# KiCad board Scan_Head_Set-Relay_board_05.01.2023.kicad_pcb (continued)
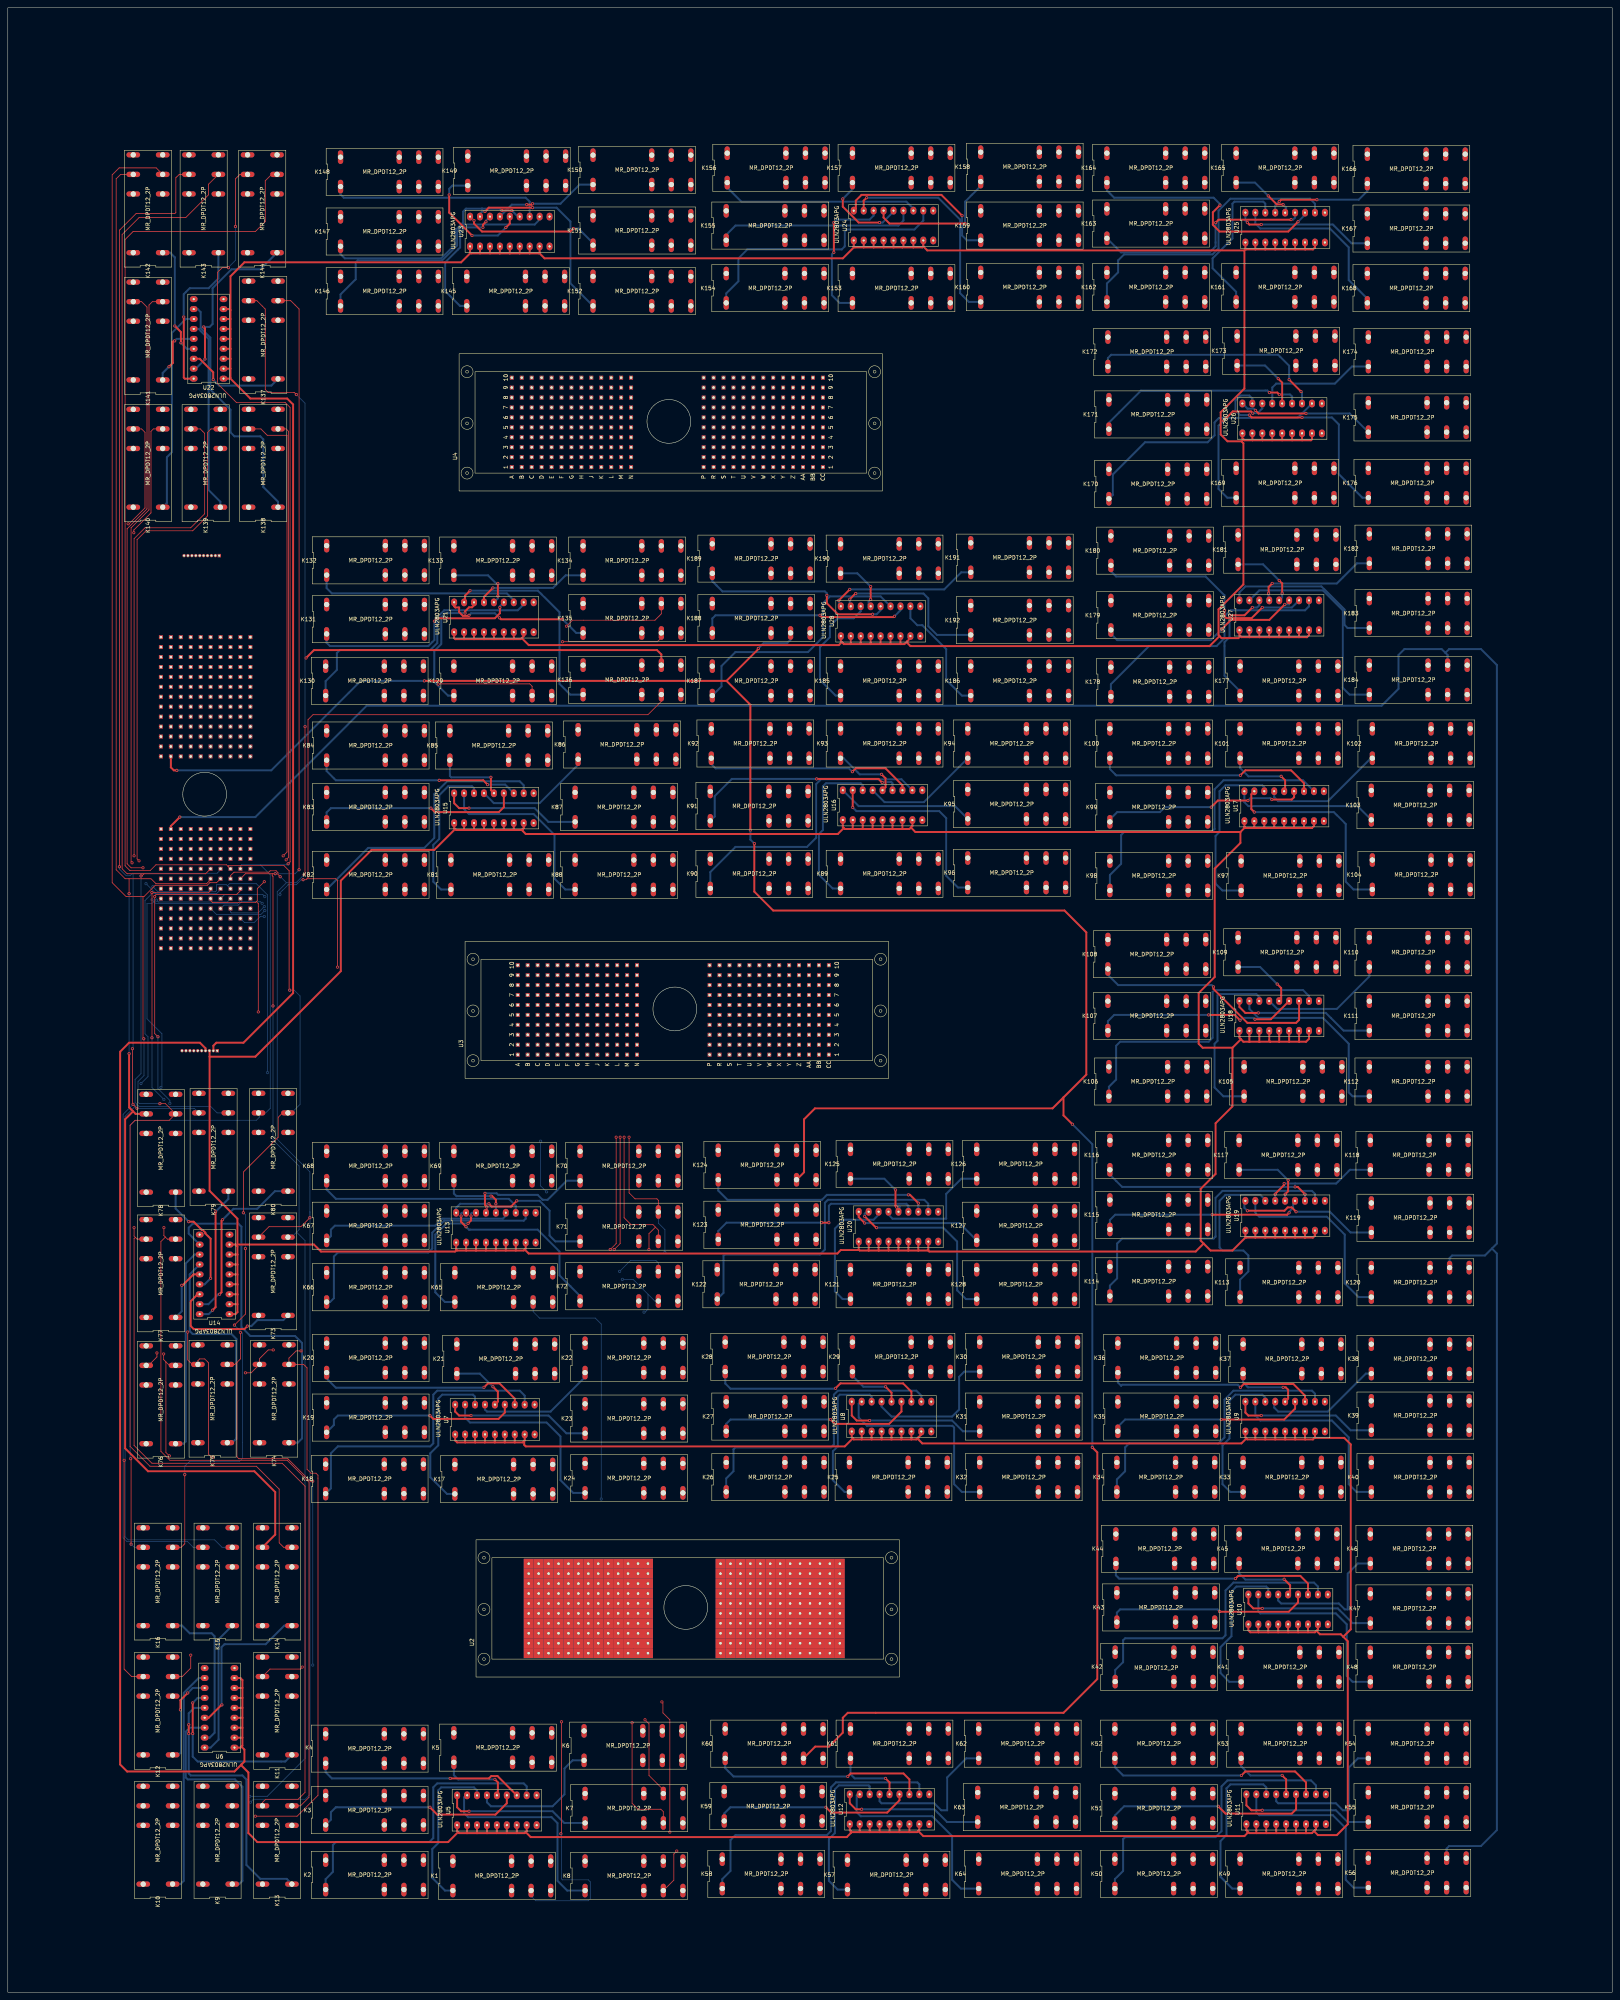
[diagram p0: board, top side]
## Routing (per net, layer and track width the routed paths; a pad name or vN(x,y) marks a point on that pad's centre or on a via; arc(x,y) is an arc through that point) (continued)
Net-(K132-PadA1): length 53
  Bottom w0.508: U21.12 129.29,355.6 127.51,357.38 82.8,357.38 81.46,358.72 K132.A1
Net-(K133-PadA1): length 17.4
  Top w0.508: v1(125.22,359.92) v1(125.22,356.68)
  Bottom w0.508: v1(125.22,356.68) 125.22,356.11 U21.14 ; K133.A1 122.7,362 124.78,359.92 v1(125.22,359.92)
Net-(K134-PadA1): length 29
  Top w0.508: U21.15 121.67,356.49 v1(123.95,358.78)
  Bottom w0.508: v1(123.95,358.78) 139.32,358.78 142.54,362 K134.A1
Net-(K135-PadA1): length 38
  Top w0.508: U21.18 114.05,354.08 114.34,353.78 115.32,353.78 115.32,352.62 116.3,351.64 117.7,351.64 v1(117.86,351.79) ; v1(141.73,350.77) 125.98,350.77 v1(125.61,351.15)
  Bottom w0.508: K135.A1 145.24,347.27 v1(141.73,350.77) ; v1(125.61,351.15) 124.46,352.3 118.36,352.3 v1(117.86,351.79)
Net-(K136-PadA1): length 53.9
  Top w0.508: 116.84,355.35 116.84,356.81 v1(118.11,358.08)
  Bottom w0.508: v1(118.11,358.08) 135.44,358.08 140.97,352.55 140.97,334.26 143.71,331.52 K136.A1
Net-(K137-PadA1): length 26.2
  Top w0.508: v1(52.48,411.99) 52.48,413.86 49.02,417.32 U22.16
  Bottom w0.508: v1(52.48,411.99) 54.01,410.46 67.33,410.46 K137.A1
Net-(K138-PadA1): length 64
  Bottom w0.508: K138.A1 69.04,380.8 65.28,384.56 65.28,396.75 64.52,397.51 57.91,397.51 56.9,398.53 56.9,404.3 51.76,409.44 51.76,422.71 49.28,425.2 49.28,429.26 48.51,430.02 U22.11
Net-(K139-PadA1): length 49.1
  Bottom w0.508: K139.A1 54.31,380.8 51.31,383.79 51.31,422.4 48.77,424.94 U22.13
Net-(K140-PadA1): length 52.6
  Bottom w0.508: K140.A1 40.64,380.47 40.64,392.18 41.91,393.45 41.91,414.99 41.91,414.99 41.91,415.59 41.91,415.59 41.91,423.93 45.47,427.48 U22.12
Net-(K141-PadA1): length 16.4
  Top w0.508: v1(41.19,415.29) 42.16,416.27 42.16,421.64 42.42,421.89 v1(42.63,421.89)
  Bottom w0.508: U22.14 43.14,422.4 v1(42.63,421.89) ; v1(41.19,415.29) 39.57,413.68 K141.A1
Net-(K142-PadA1): length 30
  Top w0.508: v1(44.23,421.39) 44.23,424.14 v1(42.67,425.71)
  Bottom w0.508: U22.15 45.76,419.86 v1(44.23,421.39) ; v1(42.67,425.71) 42.67,443.23 42.67,443.23 41.48,444.43 K142.A1
Net-(K143-PadA1): length 41.1
  Top w0.508: v1(44.95,427.99) 44.96,427.99 44.96,412.5 45.21,412.24 U22.18
  Bottom w0.508: v1(44.95,427.99) 44.95,433.83 46.48,435.36 51.31,435.36 53.8,437.85 K143.A1
Net-(K144-PadA1): length 44.3
  Top w0.508: v1(50.37,417.25) 50.37,425.12 v1(50.04,425.45)
  Bottom w0.508: K144.A1 64.54,440.18 57.15,440.18 52.32,435.36 52.32,426.21 51.57,425.45 v1(50.04,425.45) ; v1(50.37,417.25) 50.37,417.14 48.02,414.78 U22.17
Net-(K145-PadA1): length 33.5
  Top w0.508: v1(121.41,450.89) 121.41,451.57 v1(122.17,452.34)
  Bottom w0.508: U23.16 122.17,452.63 v1(122.17,452.34) ; v1(121.41,450.89) 116.88,450.89 115.57,449.58 115.57,445.77 111.76,441.96 111.76,434.59 115.52,430.83 K145.A1
Net-(K146-PadA1): length 67.1
  Bottom w0.508: U23.11 135.89,452.88 134.62,451.61 116.59,451.61 114.81,449.83 114.81,446.28 111,442.47 89.41,442.47 88.9,441.96 88.9,437.64 85.02,433.76 K146.A1
Net-(K147-PadA1): length 58.1
  Top w0.508: v1(126.25,455.19) 126.27,455.21 v1(128.79,455.21)
  Bottom w0.508: v1(128.79,455.21) 130.35,453.64 U23.13 ; v1(126.25,455.19) 125.76,455.68 121.16,455.68 121.19,455.68 117.09,455.68 116.33,454.91 116.33,452.12 114.3,450.09 114.3,446.53 110.74,442.98 86.11,442.98 85.02,444.07 K147.A1
Net-(K148-PadA1): length 54.9
  Bottom w0.508: K148.A1 85.02,459.31 85.85,458.47 132.33,458.47 133.35,457.45 U23.12
Net-(K149-PadA1): length 32.1
  Top w0.508: v1(112.78,459.19) 112.78,454.66 v1(118.62,448.82) ; v1(127.25,450.85) 128.27,451.87 U23.14
  Bottom w0.508: K149.A1 113.59,461.57 112.78,460.76 v1(112.78,459.19) ; v1(127.25,450.85) 125.22,448.82 v1(118.62,448.82)
Net-(K150-PadA1): length 27.2
  Top w0.508: v1(134.07,456.93) 133.84,456.69 v1(132.59,456.69)
  Bottom w0.508: U23.15 128.78,456.69 v1(132.59,456.69) ; K150.A1 146.1,461.82 141.2,456.93 134.08,456.93 v1(134.07,456.93)
Net-(K151-PadA1): length 35.8
  Top w0.508: v1(144.49,450.6) 143.73,449.83 121.16,449.83 119.13,451.87 v1(119.13,452.63)
  Bottom w0.508: v1(119.13,452.63) U23.18 ; K151.A1 149.53,446.86 145.8,450.6 v1(144.49,450.6)
Net-(K152-PadA1): length 49.9
  Top w0.508: v1(121.92,454.95) 122.9,455.93 v1(134.07,455.93)
  Bottom w0.508: v1(134.07,455.93) 140.21,455.93 143.76,452.37 143.76,436.6 K152.A1 ; U23.17 120.65,454.41 121.2,454.95 v1(121.92,454.95)
Net-(K153-PadA1): length 37
  Top w0.508: v1(211.07,444.5) v1(211.07,452.12)
  Bottom w0.508: U24.16 221.23,453.9 220.22,452.88 211.84,452.88 v1(211.07,452.12) ; v1(211.07,444.5) 210.57,443.99 210.57,433.58 212.55,431.6 K153.A1
Net-(K154-PadA1): length 68.7
  Bottom w0.508: K154.A1 183.57,434.01 186.69,437.13 186.69,442.98 188.98,445.26 213.11,445.26 213.87,446.02 213.87,449.83 214.38,450.34 231.65,450.34 233.93,452.63 U24.11
Net-(K155-PadA1): length 50.7
  Bottom w0.508: U24.13 228.85,452.63 227.58,451.36 185.93,451.36 183.57,449 K155.A1
Net-(K156-PadA1): length 51.6
  Bottom w0.508: U24.12 231.39,455.68 229.62,457.45 187.45,457.45 183.82,461.08 K156.A1
Net-(K157-PadA1): length 23.2
  Top w0.508: v1(222.76,452.12) 217.43,452.12 213.36,456.19 v1(213.36,458.18)
  Bottom w0.508: K157.A1 215.83,460.64 v1(213.36,458.18) ; U24.14 226.31,454.9 223.53,452.12 v1(222.76,452.12)
Net-(K158-PadA1): length 35.6
  Top w0.508: U24.15 223.77,453.39 225.3,451.87 v1(244.6,451.87)
  Bottom w0.508: K158.A1 248.59,461.44 244.6,457.45 v1(244.6,451.87)
Net-(K159-PadA1): length 43.1
  Top w0.508: v1(243.84,453.9) 238.54,459.19 218.15,459.19 216.68,457.73 216.68,455.7 U24.18
  Bottom w0.508: K159.A1 245.06,447.6 243.84,448.82 v1(243.84,453.9)
Net-(K160-PadA1): length 54.8
  Top w0.508: U24.17 218.69,457.71 v1(219.46,458.47)
  Bottom w0.508: K160.A1 245.57,431.85 243.33,434.09 243.33,452.88 237.74,458.47 v1(219.46,458.47)
Net-(K161-PadA1): length 40.8
  Bottom w0.508: K161.A1 313.87,434.41 307.85,440.44 307.85,442.98 312.93,448.06 312.93,456.95 313.44,457.45 320.8,457.45 321.31,456.95 U25.16
Net-(K162-PadA1): length 77.1
  Bottom w0.508: K162.A1 280.85,436.55 283.72,439.42 283.72,442.47 285.24,443.99 307.85,443.99 309.37,445.52 309.37,455.17 312.42,458.22 332.74,458.22 334.01,456.95 U25.11
Net-(K163-PadA1): length 58.1
  Top w0.508: v1(327.91,452.88) 327.88,452.85 309.37,452.85 v1(308.65,452.12)
  Bottom w0.508: U25.13 328.93,453.39 328.42,452.88 v1(327.91,452.88) ; K163.A1 284.46,444.5 307.09,444.5 308.61,446.02 308.61,452.08 v1(308.65,452.12)
Net-(K164-PadA1): length 65
  Top w0.508: v1(329.69,452.34) 327.19,449.83 309.63,449.83 307.92,451.54 307.92,454.74 v1(309.75,456.57)
  Bottom w0.508: U25.12 331.47,454.11 v1(329.69,452.34) ; v1(309.75,456.57) 309.75,456.82 308.1,458.47 282.7,458.47 280.85,460.32 K164.A1
Net-(K165-PadA1): length 16.8
  Top w0.508: v1(322.07,458.94) 324.25,456.77 325.81,456.77 v1(325.88,456.69)
  Bottom w0.508: K165.A1 318.68,462.33 v1(322.07,458.94) ; U25.14 326.64,454.91 326.64,455.93 v1(325.88,456.69)
Net-(K166-PadA1): length 28.8
  Top w0.508: v1(324.87,457.49) 325.34,457.96 v1(334.52,457.96)
  Bottom w0.508: K166.A1 347.4,460.17 345.19,457.96 v1(334.52,457.96) ; v1(324.87,457.49) 323.85,456.48 U25.15
Net-(K167-PadA1): length 35.6
  Top w0.508: v1(316.74,452.12) 317.25,451.61 v1(320.29,451.61)
  Bottom w0.508: K167.A1 343.36,446.84 338.58,451.61 v1(320.29,451.61) ; U25.18 316.23,452.63 v1(316.74,452.12)
Net-(K168-PadA1): length 45.3
  Bottom w0.508: K168.A1 347.4,432.67 342.65,437.42 342.65,445.77 337.82,450.6 320.04,450.6 318.77,451.87 U25.17
Net-(K169-PadA1): length 36.2
  Top w0.508: v1(318.12,403.41) 317.68,403.86 313.02,403.86 v1(310.64,401.48)
  Bottom w0.508: K169.A1 311.61,381.81 309.37,384.05 309.37,400.21 v1(310.64,401.48) ; U26.16 320.55,404.62 319.34,403.41 v1(318.12,403.41)
Net-(K170-PadA1): length 67
  Bottom w0.508: U26.11 329.56,402.21 309.5,402.21 308.36,401.07 308.36,397.76 306.58,395.99 290.58,395.99 282.36,387.77 282.36,382.56 K170.A1
Net-(K171-PadA1): length 54.3
  Top w0.508: v1(324.9,408.18) 324.4,408.69 v1(322.36,408.69)
  Bottom w0.508: v1(324.9,408.18) 327.66,408.18 328.17,407.67 U26.13 ; K171.A1 281.36,400.99 289.56,409.19 321.86,409.19 v1(322.36,408.69)
Net-(K172-PadA1): length 61
  Top w0.508: v1(327.41,411.99) v1(330.45,408.94)
  Bottom w0.508: U26.12 330.71,408.69 v1(330.45,408.94) ; K172.A1 281.1,417.5 281.94,418.34 324.61,418.34 327.41,415.54 v1(327.41,411.99)
Net-(K173-PadA1): length 18.6
  Top w0.508: U26.14 325.63,411.23 v1(324.61,412.24)
  Bottom w0.508: K173.A1 321.26,415.59 v1(324.61,412.24)
Net-(K174-PadA1): length 30.9
  Bottom w0.508: K174.A1 343.46,415.34 339.09,410.97 324.1,410.97 323.09,409.96 U26.15
Net-(K175-PadA1): length 35.2
  Top w0.508: v1(331.73,403.35) 319.6,403.35 v1(318.8,404.15)
  Bottom w0.508: v1(318.8,404.15) 318.38,404.57 316.79,404.57 U26.18 ; K175.A1 342.88,403.35 v1(331.73,403.35)
Net-(K176-PadA1): length 59.6
  Top w0.508: v1(317.25,402.93) 317.85,402.33 v1(330.71,402.33)
  Bottom w0.508: v1(330.71,402.33) 338.33,402.33 340.11,400.56 340.11,387.86 346.15,381.81 K176.A1 ; v1(317.25,402.93) 314.87,402.93 313.69,404.11 313.69,406.65 314.96,407.92 317.25,407.92 318.01,407.16 U26.17
Net-(K177-PadA1): length 32.6
  Top w0.508: v1(312.17,351.79) 316.01,351.79 v1(318.01,353.78)
  Bottom w0.508: K177.A1 314.89,332.34 310.9,336.33 310.9,344.93 312.17,346.2 312.17,351.78 v1(312.17,351.79) ; v1(318.01,353.78) 319.24,353.78 319.79,354.33 U27.16
Net-(K178-PadA1): length 66.8
  Bottom w0.508: K178.A1 281.87,334.19 291.59,343.92 308.86,343.92 310.9,345.95 310.9,351.54 312.42,353.06 331.47,353.06 332.49,354.08 U27.11
Net-(K179-PadA1): length 52
  Top w0.508: v1(310.17,348.23) 312.55,350.61 322.35,350.61 v1(326.3,354.57)
  Bottom w0.508: v1(326.3,354.57) 327.39,354.57 327.41,354.58 U27.13 ; v1(310.17,348.23) 307.38,345.44 283.46,345.44 281.87,347.04 K179.A1
Net-(K180-PadA1): length 59.5
  Top w0.508: v1(310.9,353.06) 310.9,351.54 311.37,351.06 317.82,351.06 v1(320.55,353.78)
  Bottom w0.508: v1(320.55,353.78) 328.13,353.78 U27.12 ; K180.A1 281.87,363.04 283.21,361.7 306.07,361.7 310.9,356.87 v1(310.9,353.06)
Net-(K181-PadA1): length 17.9
  Top w0.508: v1(325.63,357.42) 325.63,359.92 v1(324.87,360.68)
  Bottom w0.508: U27.14 325.63,356.36 v1(325.63,357.42) ; v1(324.87,360.68) 320.75,364.79 K181.A1
Net-(K182-PadA1): length 31.7
  Top w0.508: v1(322.17,357.42) 322.17,359 v1(323.09,359.92)
  Bottom w0.508: v1(322.17,357.42) 322.17,355.76 U27.15 ; v1(323.09,359.92) 339.6,359.92 344.73,365.05 K182.A1
Net-(K183-PadA1): length 42.6
  Bottom w0.508: U27.18 314.71,357.63 316.23,359.16 335.66,359.16 341.57,353.25 341.57,349.31 342.34,348.54 K183.A1
Net-(K184-PadA1): length 54.3
  Bottom w0.508: U27.17 319.79,358.14 336.04,358.14 341.12,353.06 341.12,333.25 342.85,331.52 K184.A1
Net-(K185-PadA1): length 32.4
  Bottom w0.508: K185.A1 211.53,331.27 207.52,335.28 207.52,343.66 210.06,346.2 210.06,349 212.09,351.03 216.15,351.03 217.93,352.81 U28.16
Net-(K186-PadA1): length 31.3
  Bottom w0.508: K186.A1 243.79,331.27 239.78,335.28 239.78,343.15 233.68,349.25 232.41,349.25 230.63,351.03 U28.11
Net-(K187-PadA1): length 65.2
  Bottom w0.508: U28.13 223.01,356.62 210.06,356.62 208.28,354.84 208.28,346.2 204.47,342.39 185.93,342.39 182.37,338.84 182.37,333.63 K187.A1
Net-(K188-PadA1): length 54
  Top w0.508: v1(226.57,351.54) 226.35,351.32 207.99,351.32 v1(207.52,351.79)
  Bottom w0.508: v1(226.57,351.54) 228.09,353.06 U28.12 ; K188.A1 180.01,350.95 180.85,351.79 v1(207.52,351.79)
Net-(K189-PadA1): length 51.4
  Top w0.508: v1(209.29,356.87) 209.29,354.84 212.09,352.04 v1(220.98,352.04)
  Bottom w0.508: K189.A1 180.01,360.5 182.63,357.89 208.79,357.89 209.29,357.38 v1(209.29,356.87) ; v1(220.98,352.04) 222,352.04 223.01,353.06 U28.14
Net-(K190-PadA1): length 14.6
  Top w0.508: v1(220.47,359.12) v1(220.47,355.85)
  Bottom w0.508: K190.A1 217.08,362.51 v1(220.47,359.12) ; v1(220.47,355.85) 219.96,355.35 219.96,354.58 U28.15
Net-(K191-PadA1): length 38.4
  Top w0.508: v1(215.14,358.39) v1(212.34,355.6)
  Bottom w0.508: U28.18 212.34,354.58 v1(212.34,355.6) ; K191.A1 243.64,362.76 239.27,358.39 v1(215.14,358.39)
Net-(K192-PadA1): length 42
  Top w0.508: v1(216.66,357.34) 216.59,357.34 v1(215.14,355.89)
  Bottom w0.508: K192.A1 237.44,346.76 235.2,349 235.2,356.11 233.97,357.34 v1(216.66,357.34) ; U28.17 215.14,354.33 v1(215.14,355.89)
unconnected-(J1-Pad1): length 1383.9
  AGND w0.2: 151.64,237.74 152.15,237.24 ; 151.42,241.26 151.64,241.05
  AGND w0.508: 151.64,241.05 151.64,237.74 ; U1.A7 46.48,346.46 46.48,347.47 ; U1.J2 60.71,324.61 ; U1.CC4 54.36,265.43 54.61,265.18 ; 53.59,241.81 53.59,240.85 53.52,240.78 J1.1 53.52,237.31
  AGND w1.27: U4.C2 U4.C3 U4.C9 ; U4.G9 U4.G3 U4.G2 ; 56.39,325.88 56.9,326.39 U1.A3 ; 56.39,325.88 U1.J2 U1.B2 U1.A3 ; 56.39,325.88 54.61,325.88 ; U1.A6 49.28,326.14 49.02,325.88 ; 53.59,241.81 52.83,242.57 52.83,256.54 ; 54.61,265.18 62.74,265.18 63.75,266.19 63.75,323.79 62.93,324.61 60.71,324.61 ; U3.J2 U3.J3 ; U3.J2 U3.B2 U3.B3 U3.B9 U3.J9 U3.J3 ; U3.J2 151.42,241.26 ; U3.J3 U3.A3 U3.A7 54.61,254.76 52.83,256.54 ; U4.F9 U4.F3 U4.F2 ; U3.G9 U3.G3 U3.G2 ; U4.E9 U4.E3 U4.E2 ; U4.D2 U4.D3 U4.D9 ; U4.B8 U4.J8 ; 52.83,256.54 52.83,263.91 54.36,265.43 ; 51.31,325.88 51.82,326.39 U1.A5 ; 51.31,325.88 54.61,325.88 ; 51.31,325.88 49.02,325.88 ; 54.61,325.88 54.36,326.14 U1.A4 ; U4.A3 U4.A7 U4.J7 ; U4.A3 127.87,394.72 124.82,391.67 76.71,391.67 74.68,389.64 74.68,370.59 66.55,362.46 48.51,362.46 45.97,359.92 45.97,347.98 46.48,347.47 ; U4.A3 U4.J3 ; U3.E2 U3.E3 U3.E9 ; U1.B8 44.2,326.14 43.94,325.88 ; U1.B8 U1.A7 ; U1.B8 U1.B9 U1.J9 43.94,325.88 ; U4.J2 U4.B2 U4.B3 U4.B9 U4.J9 U4.J3 ; U4.J2 U4.J3 ; U4.J2 150.37,390.91 150.37,388.87 150.88,388.37 209.8,388.37 210.31,388.87 210.31,396.49 209.55,397.26 U4.CC4 U4.CC7 ; 43.94,325.88 49.02,325.88 ; U4.A6 U4.J6 ; U4.H9 U4.H3 U4.H2 ; U3.F9 U3.F3 U3.F2 ; U1.A7 U1.J7 ; U1.A7 U1.A3 ; U3.C9 U3.C3 U3.C2 ; U2.A7 97.28,101.85 75.95,123.19 75.95,229.11 68.83,236.22 54.61,236.22 53.52,237.31 ; U4.A5 U4.J5 ; U3.CC7 U3.CC4 211.58,247.14 212.09,246.63 212.09,238.51 210.82,237.24 152.15,237.24 ; U3.D9 U3.D3 U3.D2 ; U3.H9 U3.H3 U3.H2 ; U1.CC4 U1.CC7 ; U4.A4 U4.J4

## Copper pours and planes (outline as drawn; the poured copper is in the pictures)
+12V on +12V: 409.7,0.25 0.25,0.25 0.25,506.73 409.7,506.73
AGND on AGND: 409.7,0.25 0.25,0.25 0.25,506.73 409.7,506.73
DGND on Bottom: 409.7,0.25 0.25,0.25 0.25,506.73 409.7,506.73
(no net) on Top: 409.7,0.25 0.25,0.25 0.25,506.73 409.7,506.73

## Text on the board
User.Comments: Copper Layer Count: | Board overall dimensions: | Min track/spacing: | Copper Finish: | Castellated pads: | Edge card connectors: | 4 | 413.2580 mm x 511.3020 mm | 0.2000 mm / 0.0000 mm | None | No | Board Thickness: | Min hole diameter: | Impedance Control: | Plated Board Edge: | 4.6900 mm | 0.3000 mm | BOARD CHARACTERISTICS
